# Altium PCB MB1261.PcbDoc (part 1 of 6)
Units mil, origin at the board's own origin, x right, y up, seen from the top; angles counter-clockwise.
Board outline 5119.1 x 2638.79 mil, 6 copper layers (TOP, L2_GND, L3_SIG, L4_VCC, L5_GND, BOTTOM), stack 61 mil thick; 336 components, 316 nets, 1358 pads, 871 vias.
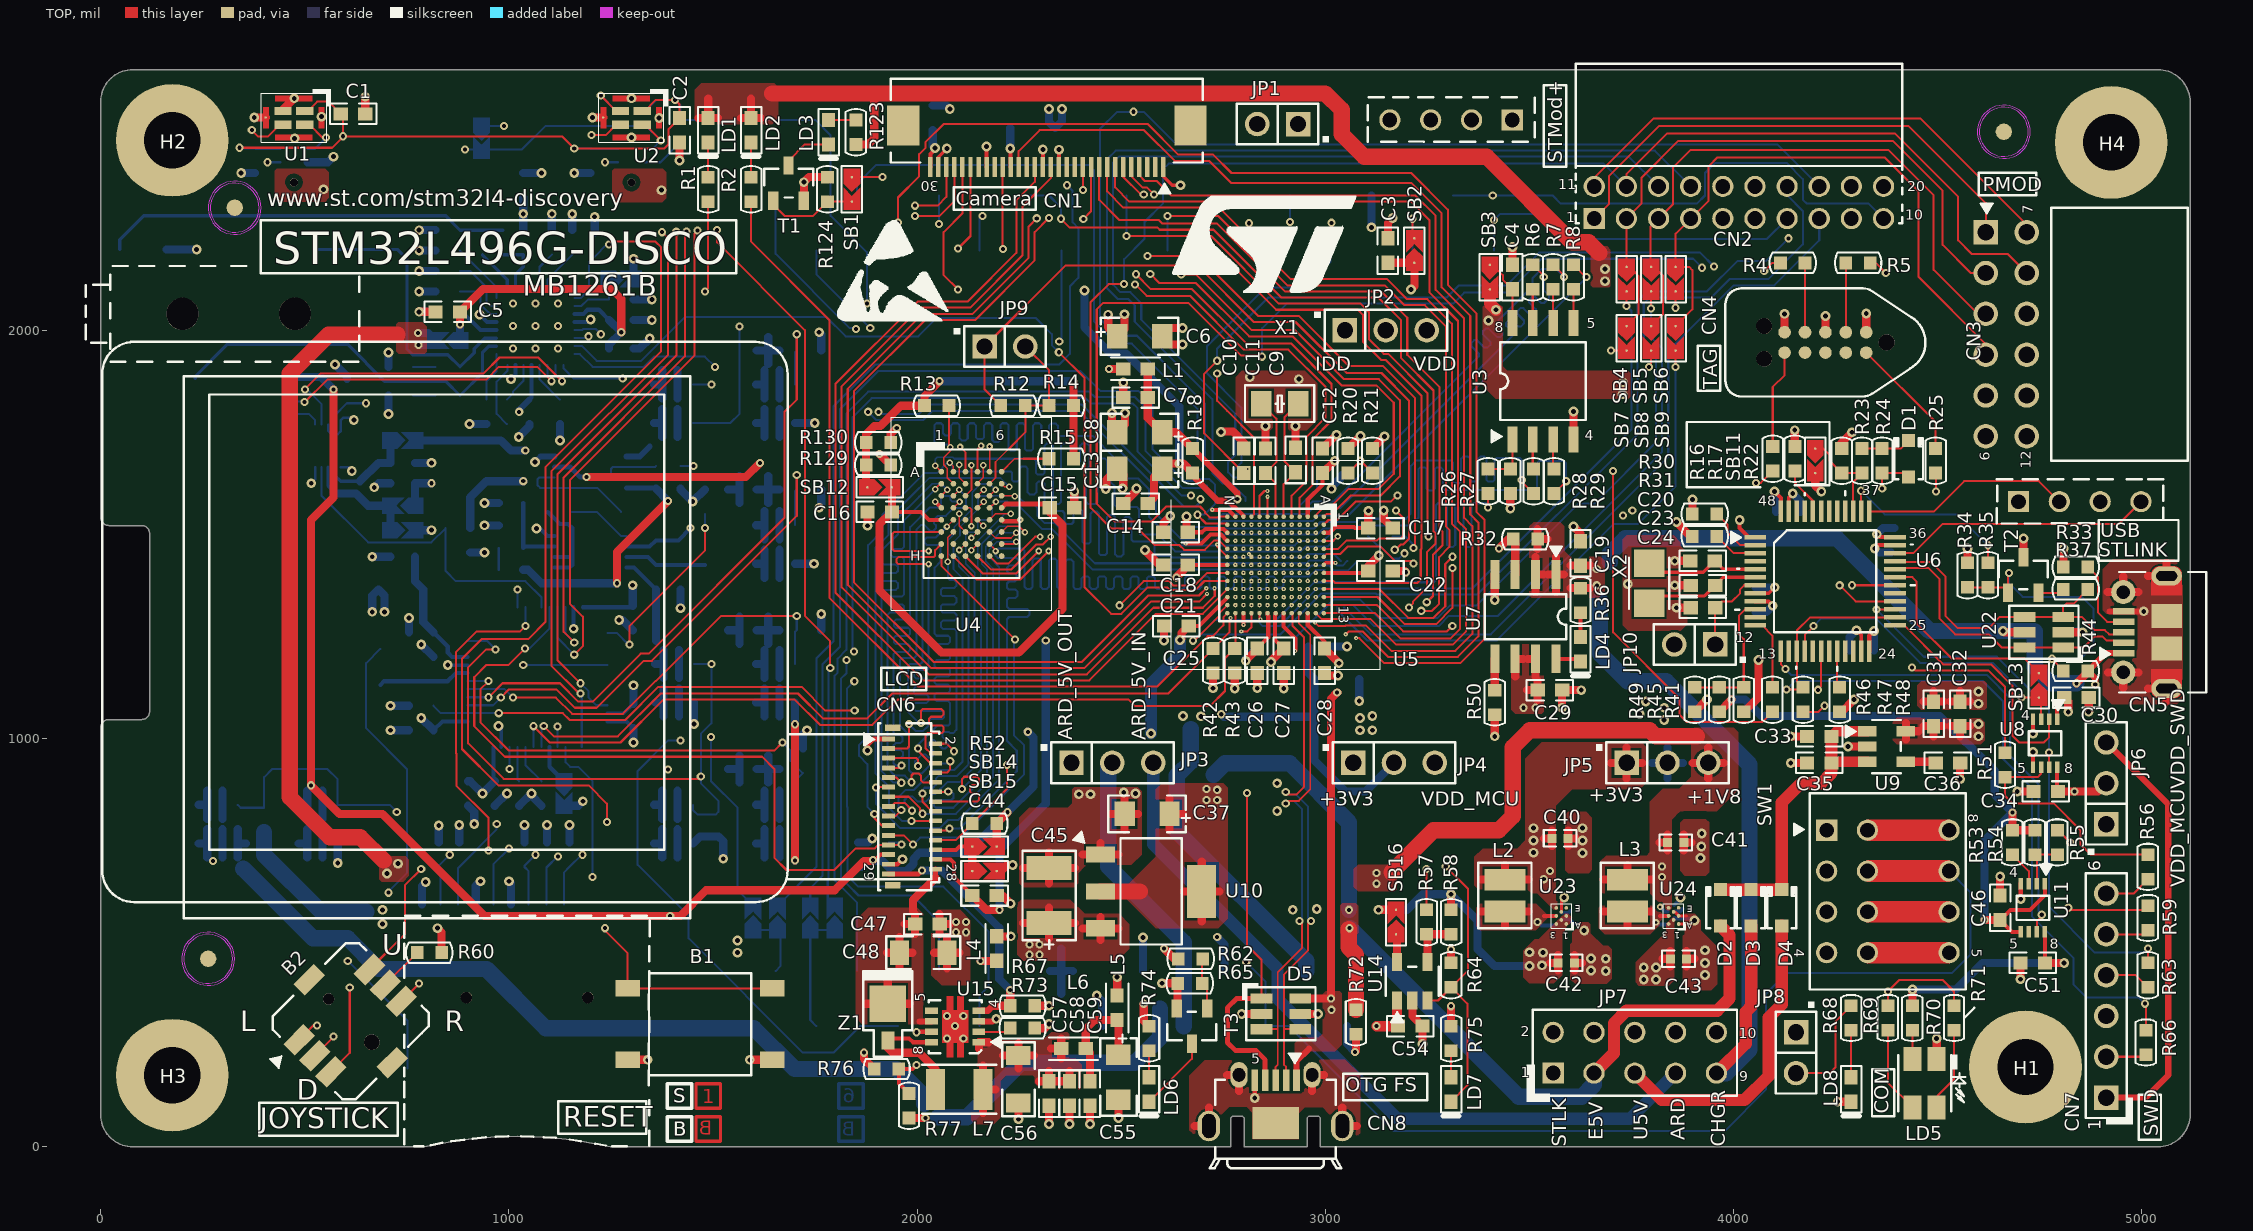
[diagram p0: TOP view]
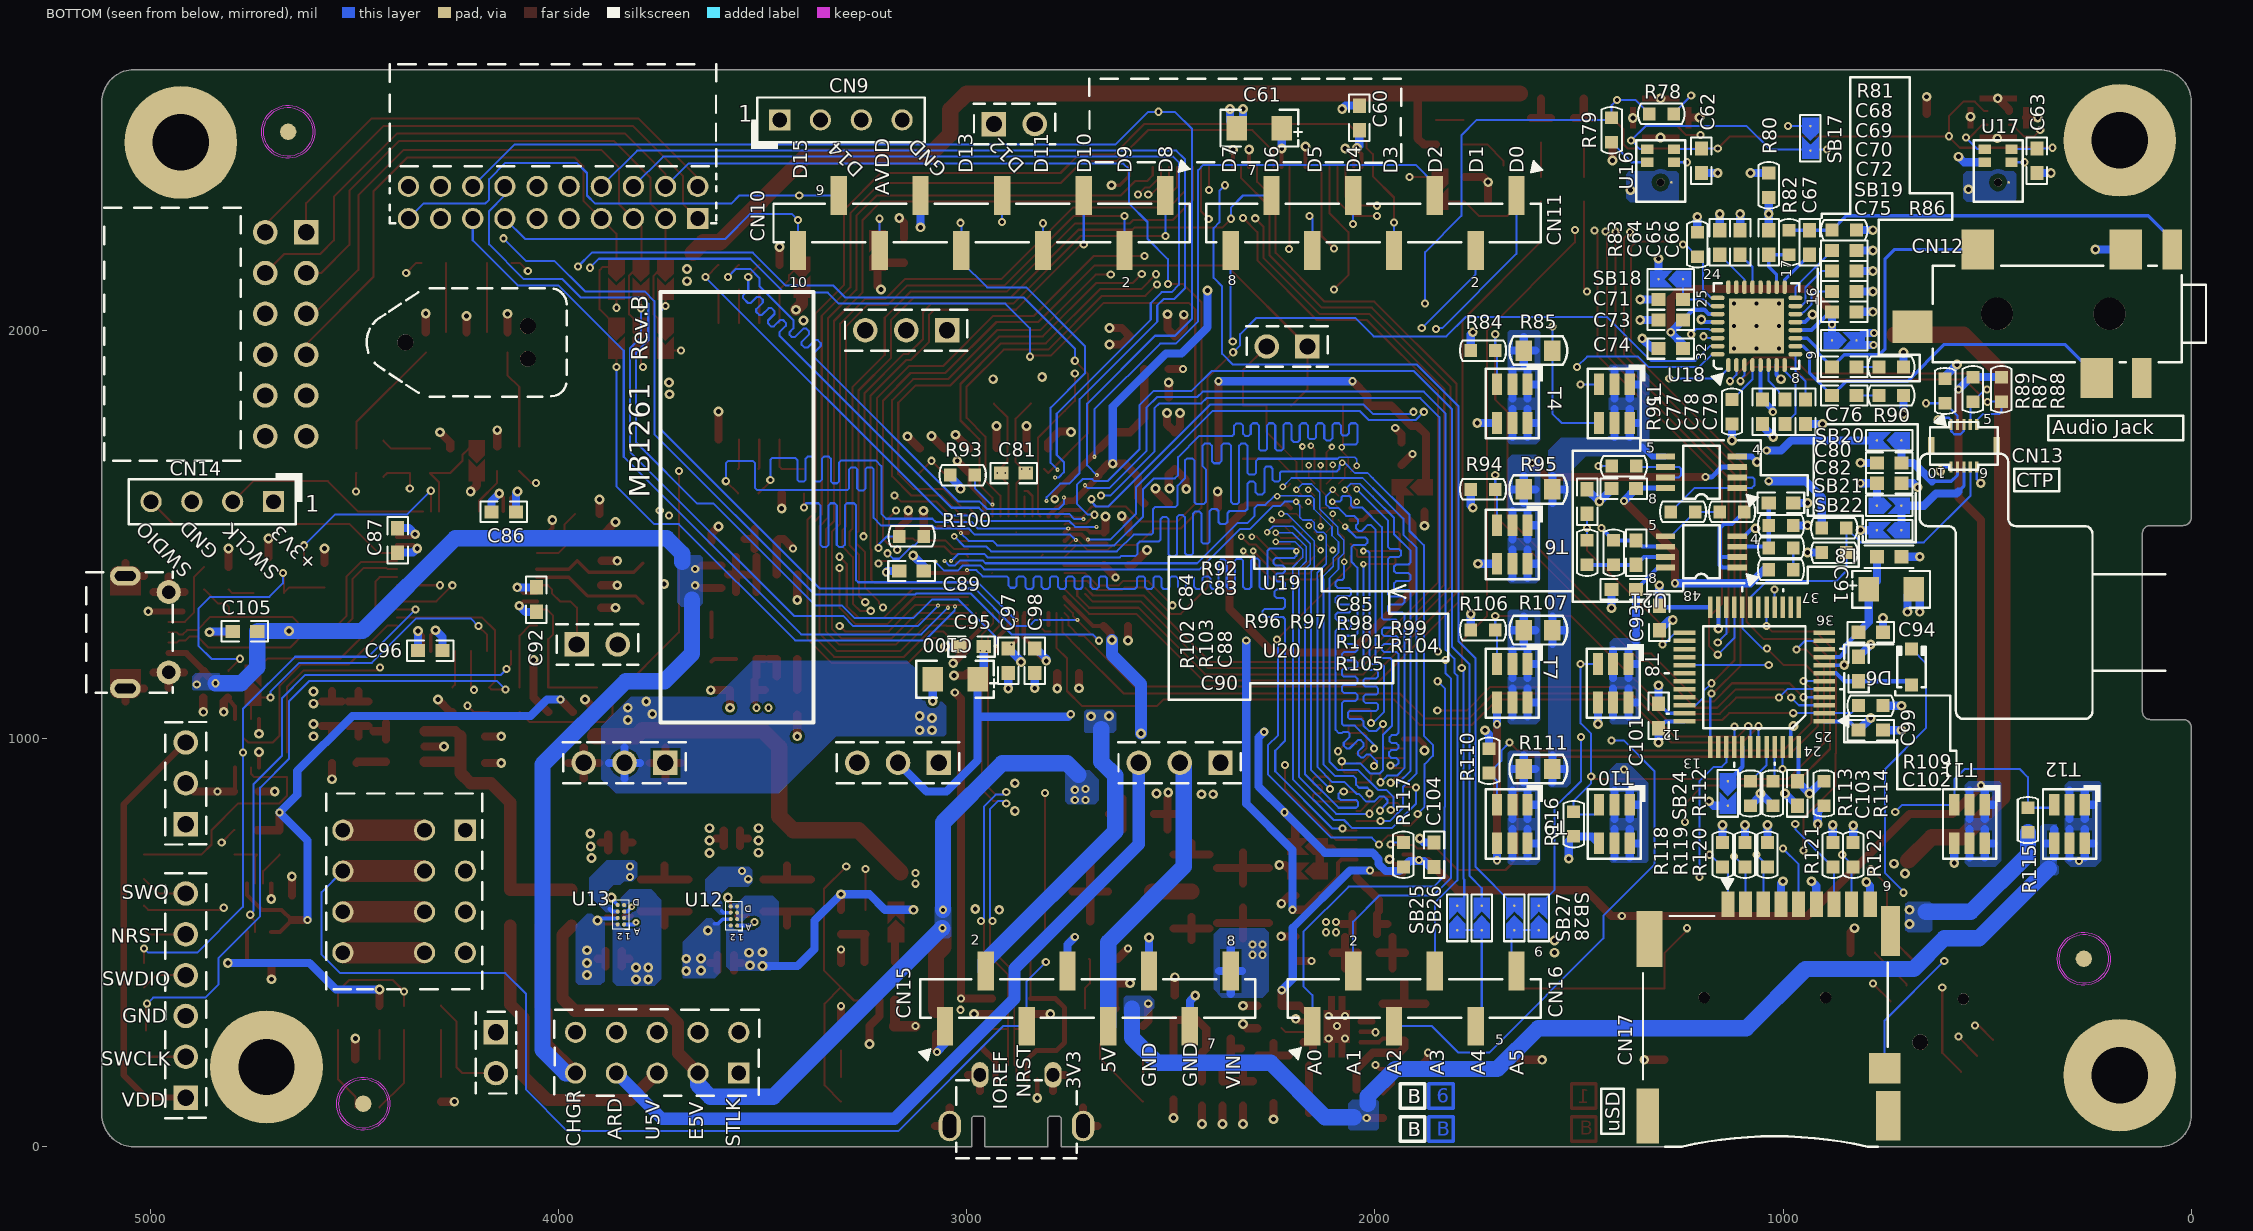
[diagram p1: BOTTOM view, seen from below]
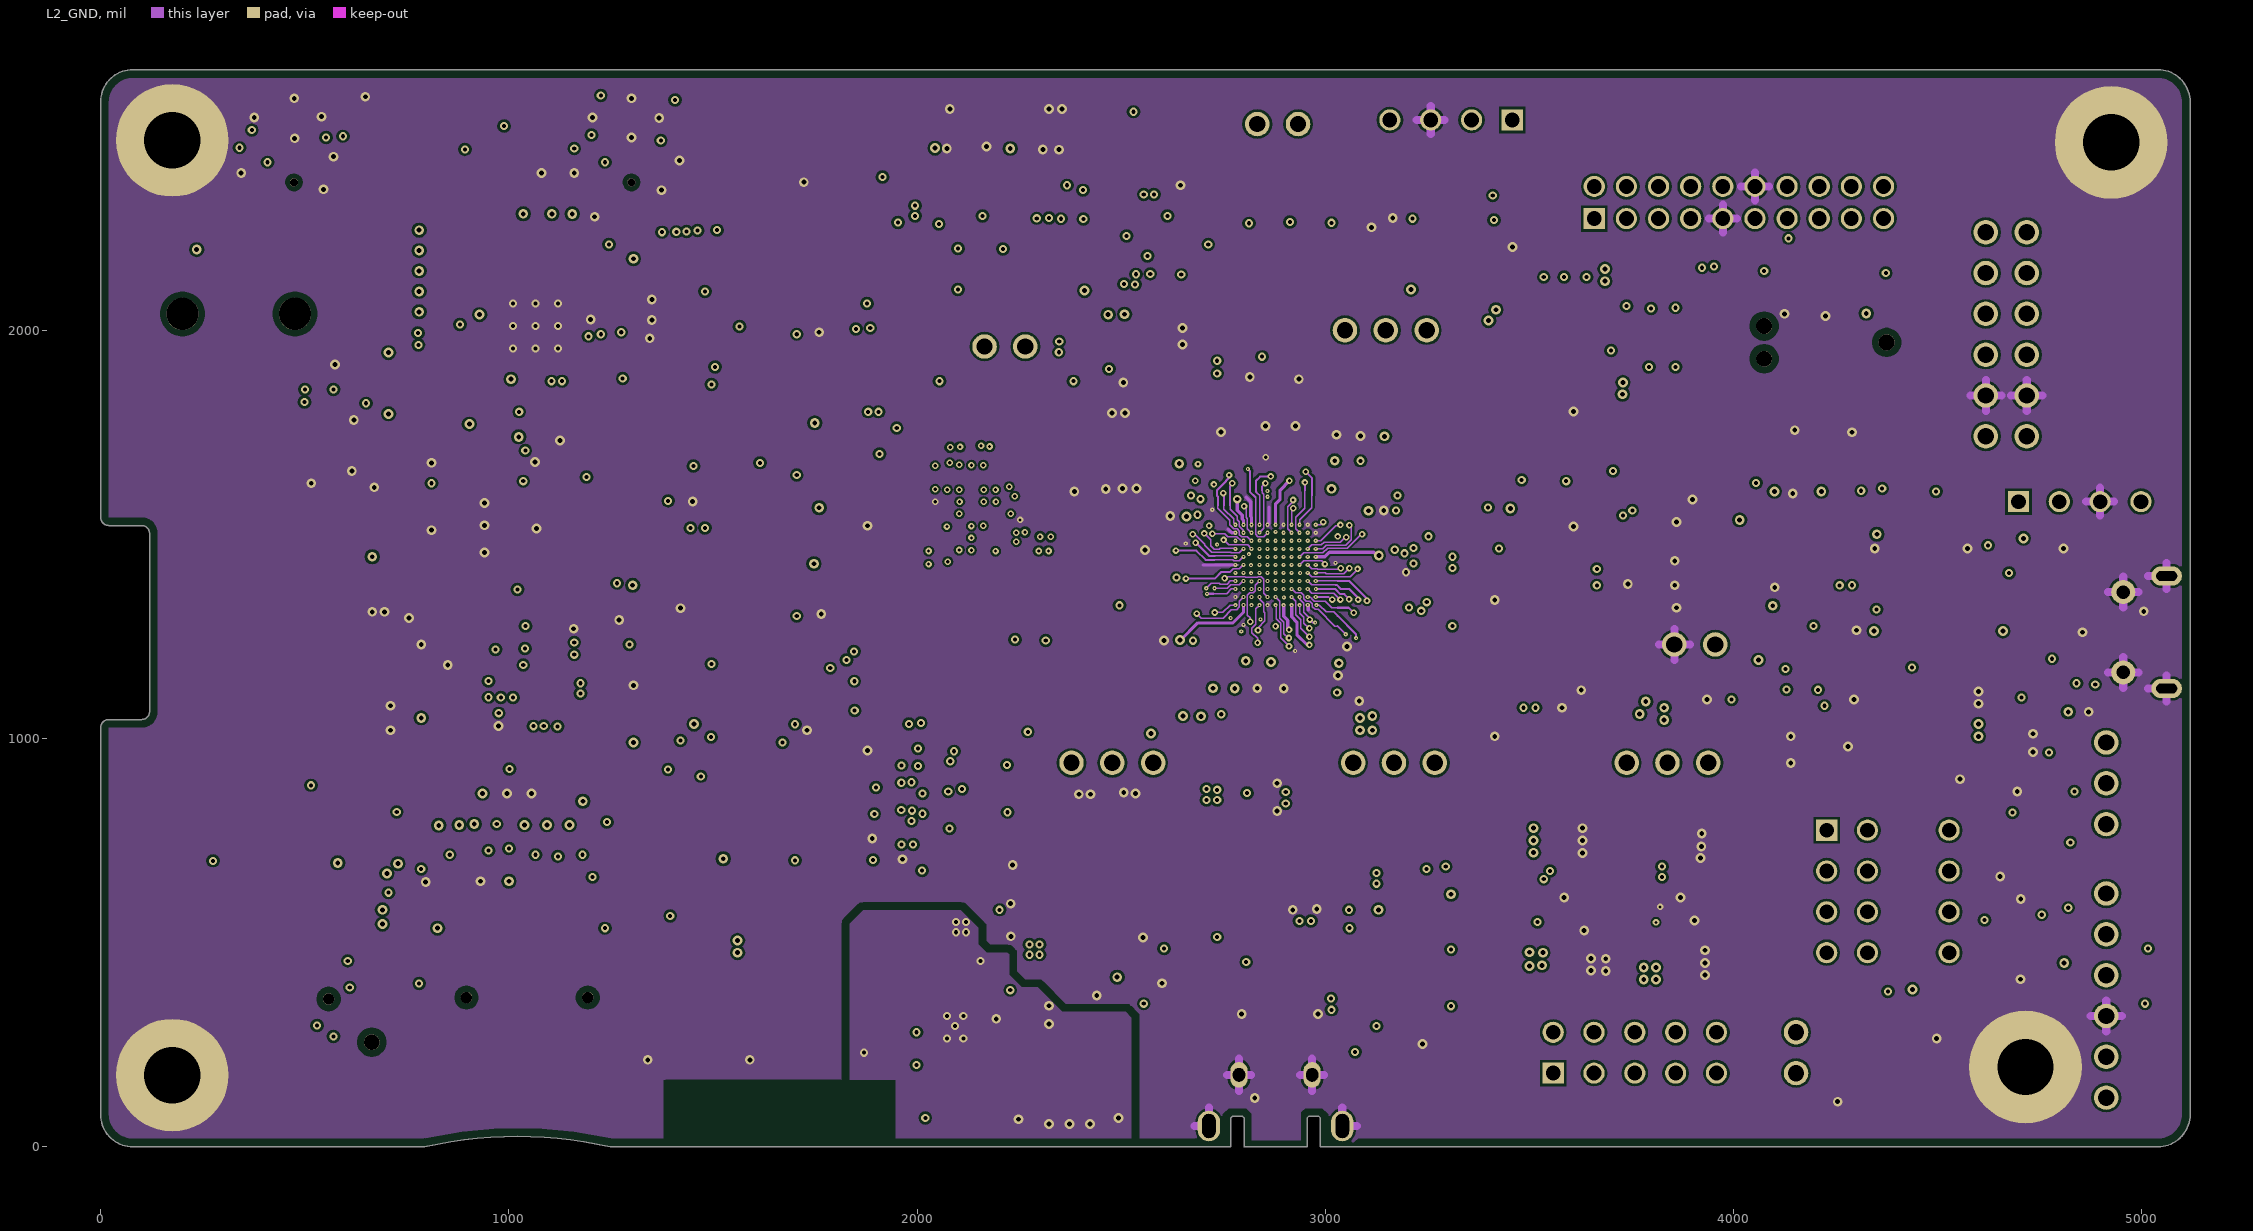
[diagram p2: L2_GND]
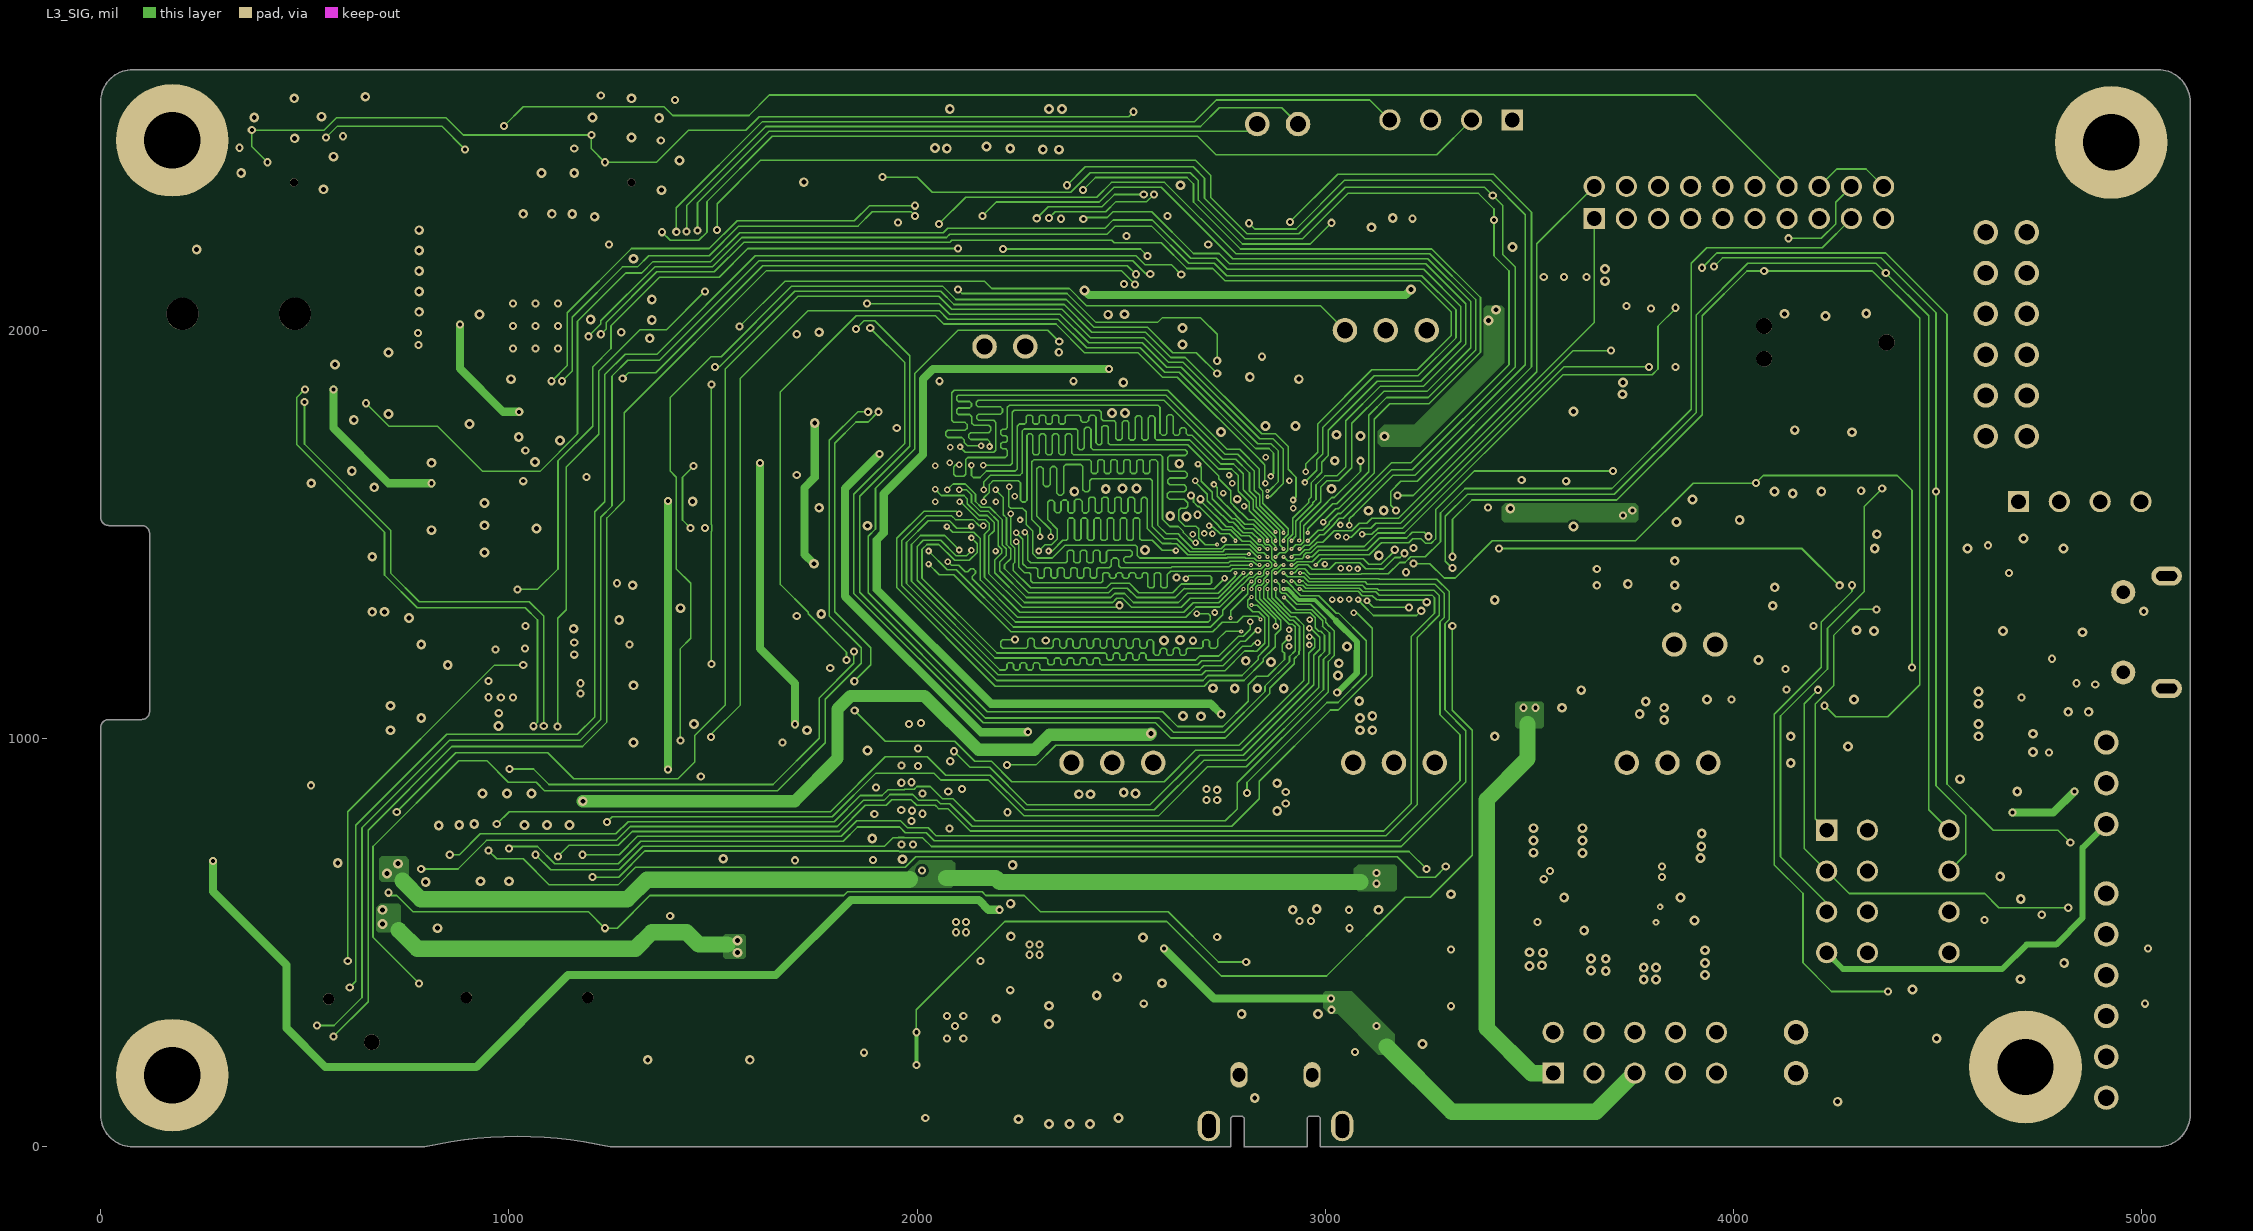
[diagram p3: L3_SIG]